# Altium PCB PASTE.PcbDoc (part 2 of 7) (continued)
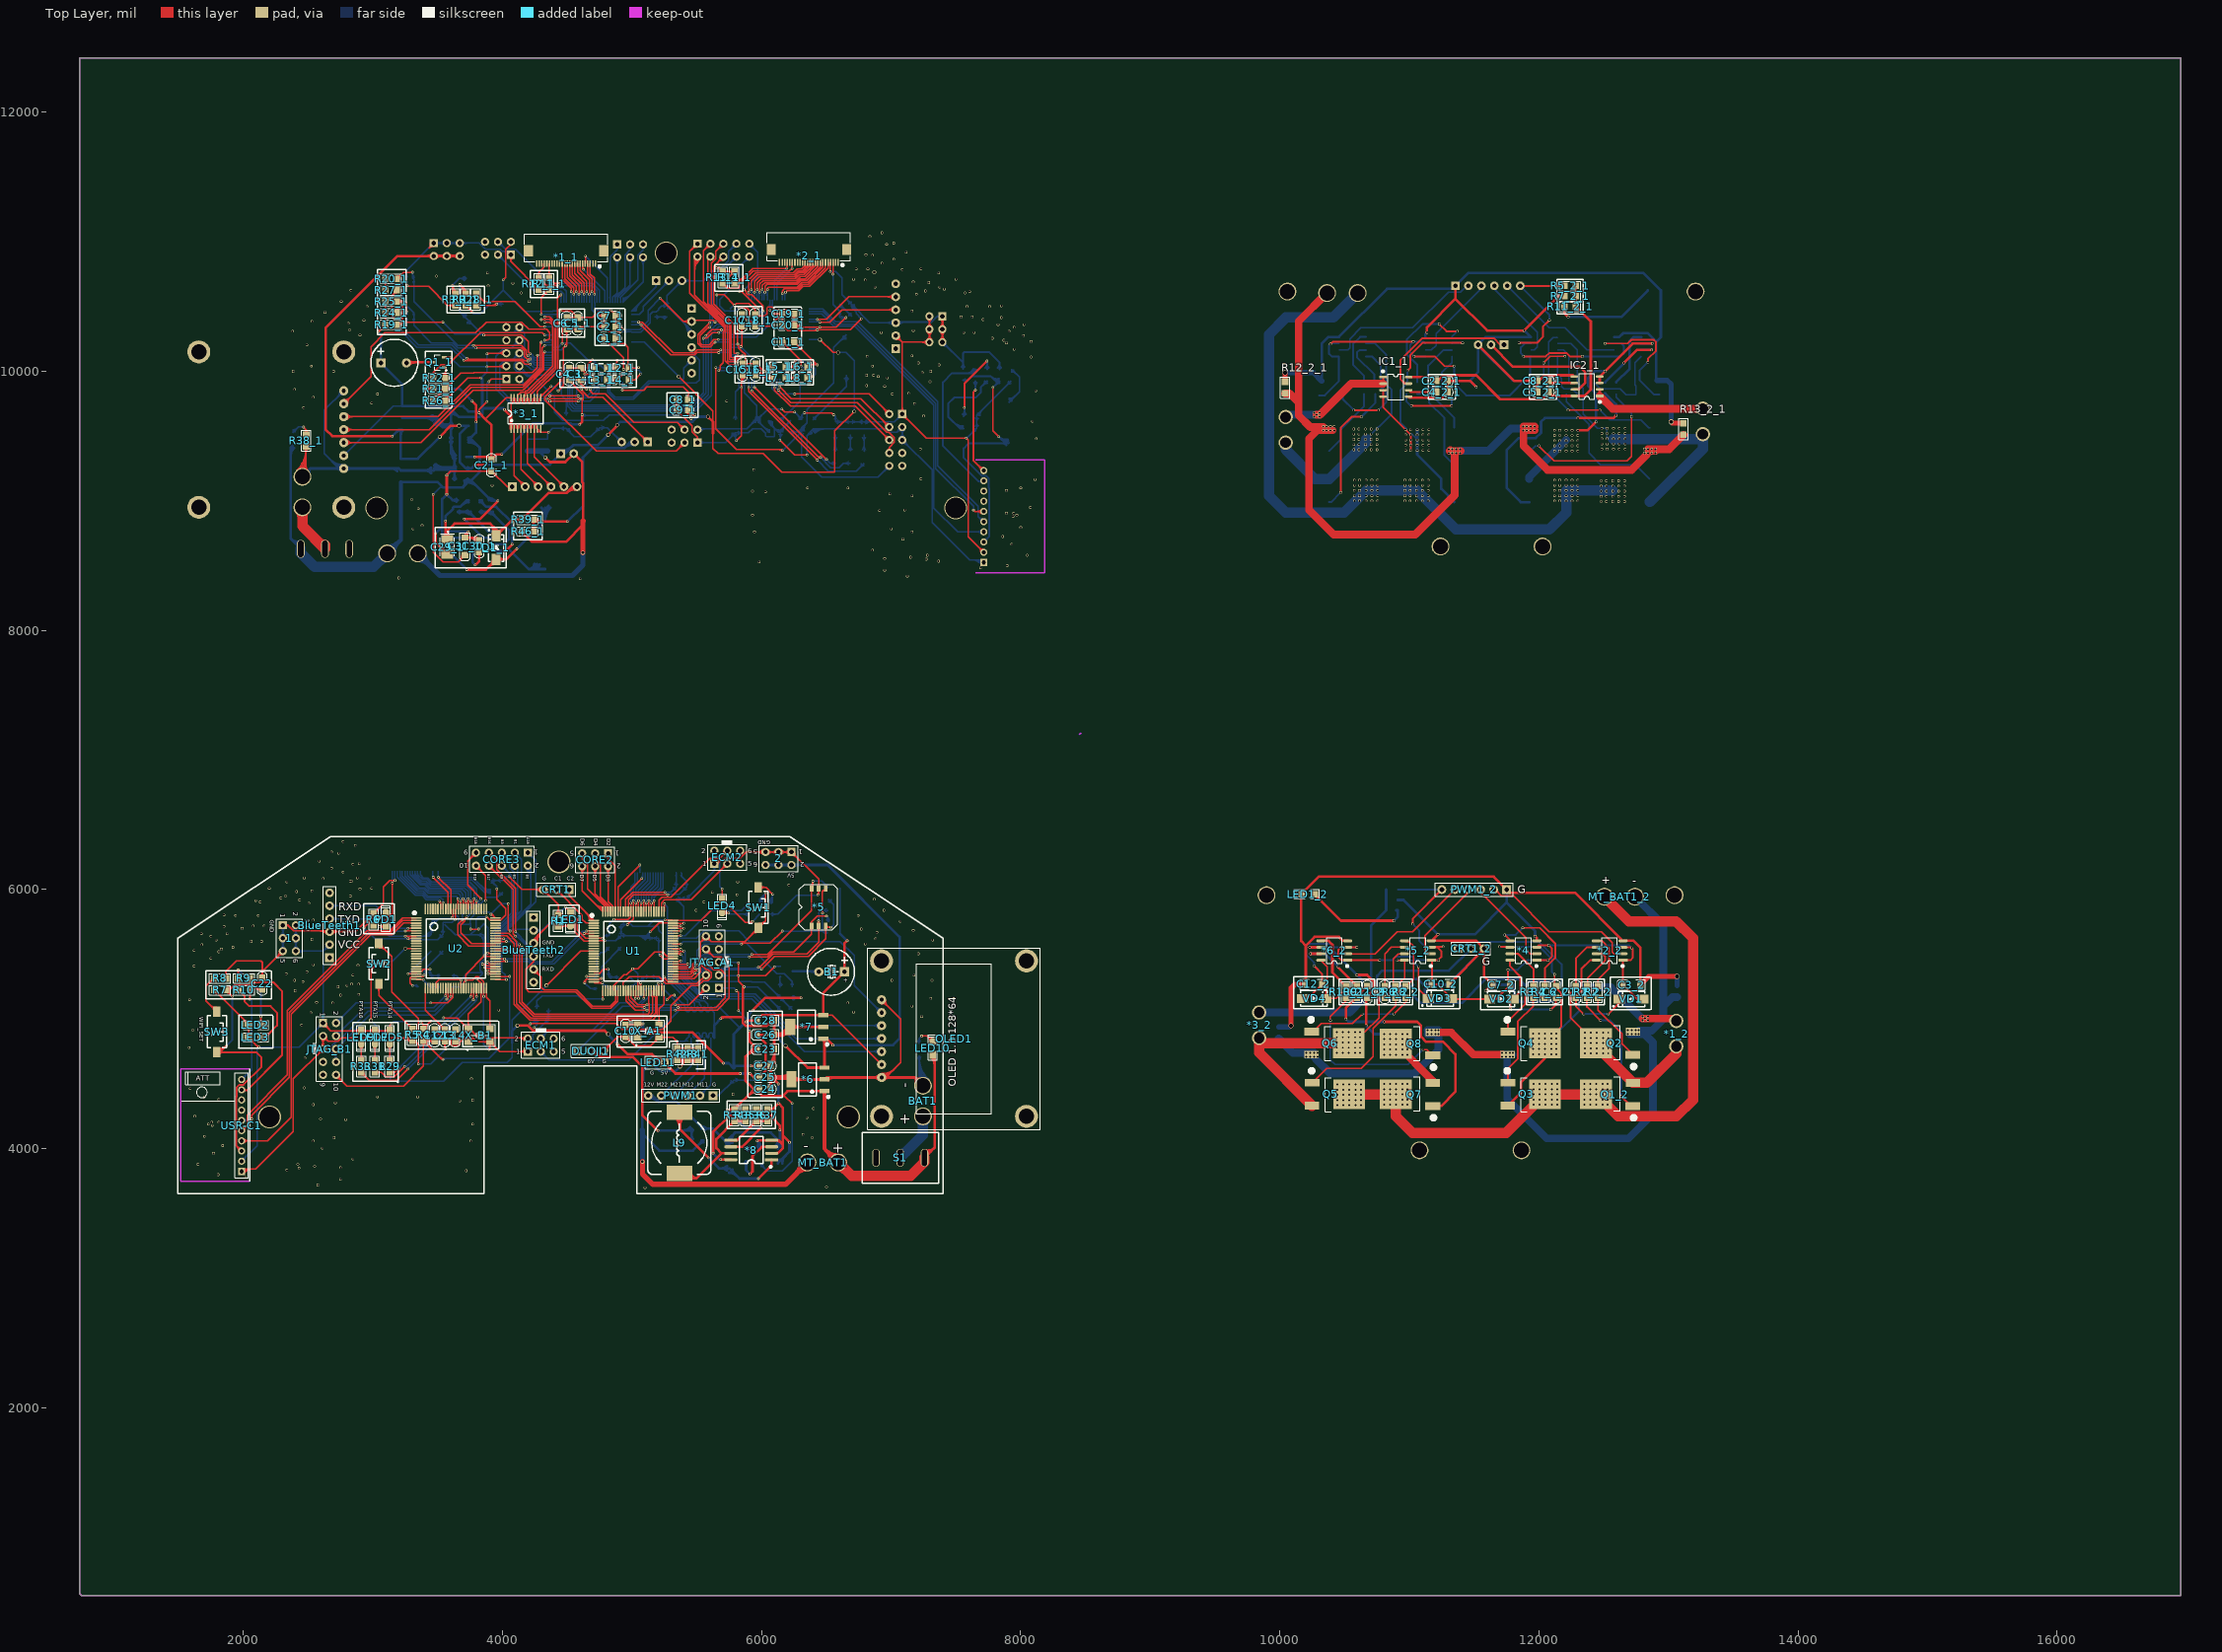
[diagram p0: Top Layer view]
## Nets (pads, with @x,y where several pads share a name; then routed paths per layer and width w, separated by ;. In a path a pad name is that pad's centre, name@x,y a point inside that pad or via, vN(x,y) a via of type N, cw(c..) or ccw(c..) an arc to the next point about the centre after c; other vN are vias at no path point) (continued)
3676.14,10659.6 cw(c3686.53,10665.74) v2@3674.84,10668.75 ; v2@3670,10665 cw(c3670,10652.93) 3678.54,10661.46 cw(c3687.07,10670) v2@3675,10670 ; v2@3671.46,5906.46 cw(c3651.85,5886.85) 3679.59,5886.85 ; 3671.49,8544.01 ccw(c3632.98,8582.52) 3687.44,8582.52 ; v2(3675,5910) 3679.59,5905.41 3679.59,5850.21 ; 3679.59,5239.79 3680,5240.2 v2(3680,5300) ; 3680.99,8553.51 cw(c3706.06,8528.44) 3706.06,8563.9 ; v2@3683.54,5296.46 v2(3680,5300) ; v2@3685,5765 cw(c3672.93,5765) 3681.46,5756.46 cw(c3690,5747.93) v2@3690,5760 ; 3685.26,10654.74 cw(c3636.97,10606.45) 3705.03,10600.82 ; 3688.56,8561.08 ccw(c3667.12,8582.52) 3697.44,8582.52 ; v2(3690,5765) 3655,5730 3655,5650 3740.32,5564.69 3945.43,5564.69 ; v2@3691.46,5926.46 cw(c3680.36,5915.36) 3696.06,5915.36 ; v2(3695,5930) 3696.06,5928.94 3696.06,5853.43 3699.28,5850.21 ; 3695.07,10601.65 ccw(c3608.78,10608.78) v2(3670,10670) 3715,10625 3715,10600 ccw(c3665.16,10604.12) 3700.52,10639.48 ; 3695.13,4883.13 ccw(c3653.26,4925) 3712.47,4925 ccw(c3653.26,4925) 3695.13,4966.87 ; 3696.06,5896.98 ccw(c3711.59,5896.98) 3700.61,5886 ; 3699.28,5239.79 3699.28,5284.28 v2(3715,5300) ; v2(3700,10085) 3704.57,10080.43 4146.75,10080.43 4172.18,10055 v2(4215,10055) ; 3701.17,5274.24 cw(c3729.96,5274.24) v2@3709.6,5294.6 ; v2@3703.54,10088.54 ccw(c3723.1,10108.1) 3723.1,10080.43 ; 3704.87,5286.4 cw(c3721.16,5276.99) v2@3716.29,5295.17 ; 3709.39,4897.39 cw(c3731.09,4875.68) 3731.09,4906.38 ; 3709.39,4952.61 ccw(c3731.09,4974.32) 3731.09,4943.62 ; v2@3710,5300 cw(c3697.93,5300) 3706.46,5291.46 cw(c3715,5282.93) v2@3715,5295 ; v2@3711.46,5303.54 ccw(c3702.93,5312.07) 3715,5312.07 ccw(c3727.07,5312.07) 3718.54,5303.54 ccw(c3727.07,5312.07) 3727.07,5300 ccw(c3727.07,5287.93) v2@3718.54,5296.46 ; v2@3711.46,5906.46 cw(c3693.37,5888.37) 3718.96,5888.37 ; 3712.2,4900.2 ccw(c3687.4,4925) 3722.47,4925 ccw(c3687.4,4925) 3712.2,4949.8 ; v2(3715,5910) 3718.96,5906.04 3718.96,5850.21 ; 3715,10510 v2(3770,10455) ; v2@3720,5790 cw(c3707.93,5790) 3716.46,5781.46 cw(c3725,5772.93) v2@3725,5785 ; 3723.83,4938.17 ccw(c3692.04,4969.96) 3737,4969.96 ccw(c3781.96,4969.96) 3750.17,4938.17 ; v2(3725,5790) 3708.94,5773.94 3708.94,5757.16 3680,5728.22 3680,5665 3760.63,5584.37 3945.43,5584.37 ; v2(3725,10100) 3730.63,10094.37 4152.52,10094.37 4166.89,10080 v2(4195,10080) ; v2@3728.54,10103.54 ccw(c3750.66,10125.66) 3750.66,10094.37 ; v2@3731.46,5926.46 cw(c3720.36,5915.36) 3736.06,5915.36 ; v2(3735,5930) 3730,5930 3736.06,5923.94 3736.06,5852.8 3738.65,5850.21 ; 3736.06,5895.46 ccw(c3749.44,5895.46) 3739.98,5886 ; 3742.91,4906.38 cw(c3742.91,4851.54) 3781.69,4890.32 ; 3742.91,4916.38 cw(c3742.91,4885.68) 3764.61,4907.39 ; v2@3751.46,5178.54 ccw(c3734.89,5195.11) 3758.33,5195.11 ; v2@3751.46,5906.46 cw(c3734.89,5889.89) 3758.33,5889.89 ; v2(3755,5175) 3758.33,5178.33 3758.33,5239.79 ; v2(3755,5695) v2(3815,5695) ; v2(3755,5910) 3758.33,5906.67 3758.33,5850.21 ; 3761.53,4925 ccw(c3796.6,4925) 3771.8,4900.2 ; 3768.5,6285 cw(c3704.54,6285) 3749.77,6239.77 cw(c3795,6194.54) 3795,6258.5 ; v2@3771.46,5153.54 ccw(c3755.65,5169.35) 3778.02,5169.35 ; v2(3775,5150) 3778.02,5153.02 3778.02,5239.79 ; v2(3775,10200) 3775.43,10199.57 4147.32,10199.57 4184.37,10162.52 4184.37,10130.63 v2(4195,10120) ; 3778.02,5850.21 3778.02,5928.02 v2(3780,5930) ; 3778.02,5913.14 cw(c3796.86,5913.14) v2@3783.54,5926.46 ; 3778.5,6285 cw(c3738.68,6285) 3766.84,6256.84 cw(c3795,6228.68) 3795,6268.5 ; v2@3778.54,10196.46 cw(c3786.03,10188.97) 3786.03,10199.57 ; v2@3778.54,10203.54 ccw(c3788.12,10213.12) 3788.12,10199.57 ; 3795,6158.5 cw(c3795,6094.54) 3840.23,6139.77 cw(c3885.46,6185) 3821.5,6185 ; 3795,6168.5 cw(c3795,6128.68) 3823.16,6156.84 cw(c3851.32,6185) 3811.5,6185 ; 3795,6185 3870,6110 v2(3870,5915) ; 3795,6285 3730,6220 3730,6035 v2(3835,5930) ; v2(3795,10180) 3795.43,10180.43 4146.75,10180.43 4170.43,10156.75 4170.43,10114.57 4186.61,10098.39 4187.16,10098.94 4211.06,10098.94 v2(4215,10095) ; 3795,10510 3945,10510 v2(3955,10520) ; 3795,10580 cw(c3795,10531.72) 3829.14,10565.86 cw(c3863.28,10600) 3815,10600 ; 3795,10600 3856.06,10538.94 4096.06,10538.94 4290,10345 v2(4325,10345) ; 3796.36,5204 cw(c3787.59,5195.23) 3800,5195.23 ; v2@3796.46,5178.54 ccw(c3787.93,5187.07) 3800,5187.07 ccw(c3812.07,5187.07) v2@3803.54,5178.54 ; 3797.7,5239.79 3800,5237.49 v2(3800,5175) ; 3797.7,5850.21 3797.7,5907.7 v2(3800,5910) ; 3797.7,5892.38 cw(c3817.62,5892.38) v2@3803.54,5906.46 ; v2@3798.54,10176.46 cw(c3808.12,10166.88) 3808.12,10180.43 ; v2@3798.54,10183.54 ccw(c3806.03,10191.03) 3806.03,10180.43 ; v2(3805,5310) 3835,5280 3835,5135 3737,5037 3737,4935 ; 3809.14,10495.86 cw(c3843.28,10461.72) 3843.28,10510 cw(c3843.28,10558.28) 3809.14,10524.14 ; v2@3816.46,9683.54 ccw(c3807.93,9692.07) 3820,9692.07 ccw(c3832.07,9692.07) v2@3823.54,9683.54 ; v2(3820,9680) 3820,9705 v2(3880,9765) ; v2@3830,5930 ccw(c3817.93,5930) 3826.46,5938.54 ccw(c3835,5947.07) v2@3835,5935 ; 3831.23,5283.77 cw(c3821.7,5274.24) 3835.18,5274.24 ; v2@3831.46,9946.46 ccw(c3822.93,9937.93) 3822.93,9950 ccw(c3822.93,9962.07) v2@3831.46,9953.54 ; 3835,5195.78 cw(c3846.63,5195.78) 3838.41,5204 ; v2(3845,5425) 3865,5425 3878.94,5411.06 3941.57,5411.06 3945.43,5407.2 ; v2@3848.54,5421.46 cw(c3857.07,5412.93) 3857.07,5425 cw(c3857.07,5437.07) v2@3848.54,5428.54 ; v2@3851.46,5178.54 ccw(c3842.93,5187.07) 3855,5187.07 ccw(c3867.07,5187.07) v2@3858.54,5178.54 ; 3852.9,5288.11 ccw(c3870.63,5288.11) 3858.09,5275.57 ; v2(3855,5175) 3855,5238.03 3852.9,5240.13 3852.9,5288.88 3812.84,5328.94 3797.16,5328.94 3768.22,5300 v2(3715,5300) ; 3855,5196.54 cw(c3865.56,5196.54) 3858.09,5204 ; v2@3855,5490 cw(c3842.93,5490) 3851.46,5481.46 cw(c3860,5472.93) v2@3860,5485 ; v2(3855,10280) 3855.43,10280.43 4146.75,10280.43 4198.31,10228.87 4198.31,10151.69 v2(4215,10135) ; v2@3858.54,10276.46 cw(c3868.12,10266.88) 3868.12,10280.43 ; v2@3858.54,10283.54 ccw(c3866.03,10291.03) 3866.03,10280.43 ; v2(3860,5400) 3870,5400 3876.06,5393.94 ; v2@3862.52,5395.68 cw(c3868.16,5386.04) 3876.06,5393.94 ; v2@3863.54,5493.54 ccw(c3881.86,5511.86) 3881.86,5485.94 ; v2@3866.46,5918.54 ccw(c3857.93,5927.07) 3870,5927.07 ccw(c3882.07,5927.07) v2@3873.54,5918.54 ; 3867.5,9632.5 4030.16,9795.16 4065,9795.16 ; v2@3875,5785 cw(c3875,5761.29) 3891.77,5778.05 ; v2(3875,5790) 3879.82,5790 3904.43,5765.39 ; 3876.44,5239.79 3876.44,5168.56 3903,5142 3903,4925 ; v2(3880,10035) 4025,10035 4030,10040 ; v2(3880,10135) 3885,10140 4030,10140 ; v2@3883.54,10031.46 cw(c3892.07,10022.93) 3892.07,10035 cw(c3892.07,10047.07) v2@3883.54,10038.54 ; v2@3883.54,10131.46 cw(c3904.14,10110.86) 3904.14,10140 ; 3883.93,4811.83 ccw(c3852.14,4780.04) 3852.14,4825 ccw(c3852.14,4869.96) 3883.93,4838.17 ; v2(3885,5375) 3890,5375 3896.06,5368.94 ; v2@3885,5435 cw(c3885,5422.93) 3893.54,5431.46 cw(c3902.07,5440) v2@3890,5440 ; v2(3885,5440) 3898.11,5426.89 3945.43,5426.89 ; v2(3885,5510) 3889.37,5505.63 3945.43,5505.63 ; v2@3887.14,5370.48 cw(c3890.51,5363.38) 3896.06,5368.94 ; v2@3888.54,5513.54 ccw(c3907.62,5532.62) 3907.62,5505.63 ; 3889.83,4811.83 cw(c3858.04,4780.04) 3903,4780.04 cw(c3947.96,4780.04) 3916.17,4811.83 ; 3889.83,4938.17 ccw(c3858.04,4969.96) 3903,4969.96 ccw(c3947.96,4969.96) 3916.17,4938.17 ; v2(3890,5350) 3943.58,5350 3945.43,5348.15 ; v2@3891.46,4768.54 ccw(c3863.62,4796.38) 3903,4796.38 ; v2@3893.54,5346.46 cw(c3902.07,5337.93) 3902.07,5350 cw(c3902.07,5362.07) v2@3893.54,5353.54 ; v2(3895,4765) 3903,4773 ; 3895,6158.5 cw(c3895,6094.54) 3940.23,6139.77 cw(c3985.46,6185) 3921.5,6185 ; 3895,6168.5 cw(c3895,6128.68) 3923.16,6156.84 cw(c3951.32,6185) 3911.5,6185 ; 3895,6185 4080,6000 4080,5660 v2(4100,5640) ; 3895,6258.5 cw(c3895,6194.54) 3940.23,6239.77 cw(c3985.46,6285) 3921.5,6285 ; 3895,6268.5 cw(c3895,6228.68) 3923.16,6256.84 cw(c3951.32,6285) 3911.5,6285 ; 3895,6285 3954.57,6225.43 3954.57,6155.43 4100,6010 v2(4100,5675) ; v2(3895,9920) 3915,9940 4030,9940 ; v2@3895.23,4769.99 ccw(c3895.72,4780.28) 3903,4773 ; 3897.11,5411.06 cw(c3897.11,5393.33) 3909.65,5405.87 ; v2@3898.54,4761.46 ccw(c3887.76,4772.24) 3903,4772.24 ; v2@3899.99,4765.23 cw(c3910.28,4765.72) 3903,4773 ; 3900.86,9215.86 ccw(c3866.72,9181.72) 3866.72,9230 ccw(c3866.72,9278.28) 3900.86,9244.14 ; 3901.95,5350 cw(c3901.95,5339.12) 3909.65,5346.81 ; 3903.15,5766.67 ccw(c3910.98,5774.5) 3910.98,5763.43 ; 3903.76,5368.94 cw(c3903.76,5360.61) 3909.65,5366.5 ; 3908.91,4806.38 cw(c3908.91,4775.68) 3930.61,4797.39 ; v2@3910,5805 cw(c3910,5776.87) 3929.89,5796.76 ; v2(3910,5810) 3916.65,5810 3945.43,5781.22 ; 3910.47,5389.34 cw(c3905.58,5406.67) 3892.84,5393.94 ; 3910.67,5763.4 cw(c3909.48,5770.45) 3904.43,5765.39 ; 3915,9210 cw(c3915,9161.72) 3949.14,9195.86 cw(c3983.28,9230) 3935,9230 ; 3917.53,4825 ccw(c3952.6,4825) 3927.8,4800.2 ; 3918.79,10510 ccw(c3918.79,10556.21) v2@3951.46,10523.54 ; 3927.53,4825 ccw(c3986.74,4825) 3944.87,4783.13 ; 3942.93,10510 ccw(c3942.93,10532.07) v2@3958.54,10516.46 ; 3945.43,5308.78 3948.15,5306.06 4028.94,5306.06 v2(4030,5305) ; 3945.43,5328.46 4053.46,5328.46 v2(4055,5330) ; 3945.43,5367.83 3944.33,5368.94 3896.06,5368.94 ; 3945.43,5387.52 3899.26,5387.52 3892.84,5393.94 ; 3945.43,5446.57 3945.94,5446.06 4028.94,5446.06 v2(4030,5445) ; 3945.43,5466.26 4013.74,5466.26 v2(4015,5465) ; 3945.43,5485.94 3864.06,5485.94 v2(3860,5490) 3715,5345 v2(3715,5300) ; 3945.43,5525.31 4059.68,5525.31 v2(4060,5525) ; 3945.43,5545 v2(4035,5545) ; 3945.43,5604.06 3949.29,5600.2 4029.8,5600.2 v2(4030,5600) ; 3945.43,5623.74 3949.17,5620 v2(4010,5620) ; 3945.43,5643.43 4031.57,5643.43 4090,5585 4090,5115 4210,4995 5160,4995 5195,5030 5195,5175.03 5191.06,5178.96 ; 3945.43,5663.11 4046.89,5663.11 4110,5600 4110,5120 4220,5010 5145,5010 5180,5045 5180,5170.32 5171.56,5178.76 ; v2@3951.46,6001.46 cw(c3942.93,5992.93) 3955,5992.93 cw(c3967.07,5992.93) v2@3958.54,6001.46 ; 3953.96,10035 ccw(c3953.96,10116.04) 4011.26,10058.74 ; v2(3955,6005) 3955,5925 4025,5855 4025,5803.96 3986.44,5765.39 ; 3979.88,5763.43 ccw(c3979.88,5774.5) 3987.71,5766.67 ; 3980.2,5763.4 ccw(c3981.38,5770.45) 3986.44,5765.39 ; 3981.22,5310.12 ccw(c3991,5319.9) 3991,5306.06 ; 3981.22,5605.39 ccw(c3993.76,5617.93) 3993.76,5600.2 ; 3981.22,5625.08 ccw(c3993.47,5637.33) 3993.47,5620 ; 3999.89,5466.26 cw(c3999.89,5449.89) v2@4011.46,5461.46 ; v2(4005,10705) 4024.57,10724.57 4024.57,10940.43 4065,10980.87 4065,11000 ; v2@4006.46,5616.46 ccw(c3997.93,5607.93) 3997.93,5620 ccw(c3997.93,5632.07) v2@4006.46,5623.54 ; 4011.26,10021.26 ccw(c3978.1,9988.1) 3978.1,10035 ccw(c3978.1,10091.9) 4018.34,10051.66 ; 4011.26,10121.26 ccw(c3966.03,10076.03) 3966.03,10140 ccw(c3966.03,10203.97) 4011.26,10158.74 ; 4015.36,5306.06 cw(c4015.36,5290.36) v2@4026.46,5301.46 ; 4015.36,5446.06 cw(c4015.36,5430.36) v2@4026.46,5441.46 ; 4017.45,5600.2 cw(c4017.45,5587.45) v2@4026.46,5596.46 ; 4018.34,10128.34 ccw(c3990.18,10100.18) 3990.18,10140 ccw(c3990.18,10179.82) 4018.34,10151.66 ; 4018.4,5600.2 ccw(c4018.4,5611.6) v2@4026.46,5603.54 ; v2@4031.46,5541.46 ccw(c4022.93,5532.93) 4022.93,5545 ccw(c4022.93,5557.07) v2@4031.46,5548.54 ; 4039.22,5328.46 ccw(c4039.22,5345.78) v2@4051.46,5333.54 ; v2(4045,5890) 4045,5695 v2(4060,5680) ; 4047.17,5525.31 cw(c4047.17,5512.17) v2@4056.46,5521.46 ; 4048.11,9100.67 ccw(c4035,9096.13) 4035,9110 ; 4048.11,9119.33 cw(c4035,9123.87) 4035,9110 ; 4048.49,10879.28 cw(c4021.17,10845) 4065,10845 ; 4048.69,5525.31 ccw(c4048.69,5536.31) v2@4056.46,5528.54 ; v2@4050,6095 cw(c4050,6082.93) 4058.54,6091.46 cw(c4067.07,6100) v2@4055,6100 ; v2(4050,6100) 4150,6000 4315,6000 4430,5885 4430,5805 ; 4054.72,10887.1 cw(c4037.71,10865.76) 4065,10865.76 cw(c4092.29,10865.76) 4075.28,10887.1 ; 4065,9555 4075.65,9565.65 4075.65,9585.19 4084.4,9593.94 4096.78,9593.94 4105.53,9585.19 4105.53,9565.65 4116.18,9555 4126.84,9565.65 4126.84,9585.19 4135.58,9593.94 4147.96,9593.94 4156.71,9585.19 4156.71,9565.65 4167.36,9555 4178.02,9565.65 4178.02,9585.19 4186.77,9593.94 4199.14,9593.94 4207.89,9585.19 4207.89,9565.65 4218.54,9555 4229.2,9565.65 4229.2,9585.19 4237.95,9593.94 4250.32,9593.94 4259.07,9585.19 4259.07,9565.65 4269.72,9555 4294.72,9530 ; 4065,9655 4065,9750.03 4079.94,9764.97 4079.94,9784.5 4090.59,9795.16 4101.24,9784.5 4101.24,9764.97 4109.99,9756.22 4122.37,9756.22 4131.12,9764.97 4131.12,9784.5 4141.77,9795.16 4152.43,9784.5 4152.43,9764.97 4161.17,9756.22 4173.55,9756.22 4182.3,9764.97 4182.3,9784.5 4192.95,9795.16 4203.61,9784.5 4203.61,9764.97 4212.36,9756.22 4224.73,9756.22 4233.48,9764.97 4233.48,9784.5 4244.13,9795.16 4254.79,9784.5 4254.79,9764.97 4263.54,9756.22 4275.91,9756.22 4284.66,9764.97 4284.66,9784.5 4295.31,9795.16 4295.31,9805.32 v2(4375,9885) ; 4065,10900 4065,10845 ; 4066.21,9570.08 ccw(c4064.74,9580.89) 4075.65,9580.89 ; 4067.56,9560.17 ccw(c4066.3,9569.44) 4075.65,9569.44 ; 4075,9110 4035,9110 ; 4079.94,9769.41 cw(c4090.69,9769.41) 4090.09,9780.14 ; 4079.94,9779.98 cw(c4090.1,9779.98) 4089.54,9790.13 ; 4079.94,9780.09 cw(c4094.5,9780.09) 4090.84,9794.19 ; 4081.51,10879.28 ccw(c4108.83,10845) 4065,10845 ; 4090.34,9794.19 cw(c4086.68,9780.09) 4101.24,9780.09 ; 4090.59,9555 4090.59,9194.41 4175,9110 ; 4091.09,9780.14 cw(c4090.49,9769.41) 4101.24,9769.41 ; 4091.65,9790.13 cw(c4091.08,9779.98) 4101.24,9779.98 ; v2@4095,5640 ccw(c4082.93,5640) 4091.46,5648.54 ccw(c4100,5657.07) v2@4100,5645 ; v2@4096.46,5678.54 ccw(c4087.93,5687.07) 4100,5687.07 ccw(c4112.07,5687.07) v2@4103.54,5678.54 ; 4105.53,9569.44 ccw(c4114.88,9569.44) 4113.62,9560.17 ; 4105.53,9580.89 ccw(c4116.44,9580.89) 4114.97,9570.08 ; 4112.78,4857.56 cw(c4112.78,4767.78) 4176.26,4831.26 ; 4116.18,9795.16 4116.18,9814.69 4141.49,9840 4172.96,9840 4180.99,9848.03 4193.03,9848.03 4385,10040 4385,10360 4365,10380 v2(4325,10380) ; 4116.18,9820.16 ccw(c4116.18,9833.36) 4125.51,9824.02 ; 4117.39,9570.08 ccw(c4115.92,9580.89) 4126.84,9580.89 ; 4118.74,9560.17 ccw(c4117.48,9569.44) 4126.84,9569.44 ; v2@4126.46,5571.46 cw(c4117.93,5562.93) 4130,5562.93 cw(c4142.07,5562.93) v2@4133.54,5571.46 ; v2(4130,5575) 4130,5130 4236.06,5023.94 5135,5023.94 5160,5048.94 5160,5170.61 5151.87,5178.73 ; 4131.12,9769.41 cw(c4141.87,9769.41) 4141.27,9780.14 ; 4131.12,9779.98 cw(c4141.28,9779.98) 4140.72,9790.13 ; 4131.12,9780.09 cw(c4145.68,9780.09) 4142.02,9794.19 ; 4136.93,4857.56 cw(c4136.93,4791.93) 4183.34,4838.34 ; 4141.52,9794.19 cw(c4137.86,9780.09) 4152.43,9780.09 ; 4141.77,9555 4141.77,9243.23 4275,9110 ; 4142.27,9780.14 cw(c4141.67,9769.41) 4152.43,9769.41 ; 4142.83,9790.13 cw(c4142.26,9779.98) 4152.43,9779.98 ; v2@4146.46,5551.46 cw(c4137.93,5542.93) 4150,5542.93 cw(c4162.07,5542.93) v2@4153.54,5551.46 ; 4146.54,9110 ccw(c4077.82,9110) 4126.41,9158.59 ccw(c4175,9207.18) 4175,9138.46 ; 4149.28,4857.56 ccw(c4149.28,4895.72) 4176.26,4868.74 ; v2(4150,5555) 4150,5135 4245,5040 5125,5040 5133.94,5048.94 5133.94,5117.84 5128.33,5123.45 5128.33,5219.79 ; 4156.54,9110 ccw(c4111.96,9110) 4143.48,9141.52 ccw(c4175,9173.04) 4175,9128.46 ; 4156.71,9569.44 ccw(c4166.06,9569.44) 4164.8,9560.17 ; 4156.71,9580.89 ccw(c4167.62,9580.89) 4166.15,9570.08 ; 4161.07,4857.56 cw(c4161.07,4816.07) 4190.41,4845.41 ; 4167.36,9795.16 4167.36,9802.65 4178.02,9813.31 4178.02,9825.34 4186.77,9834.09 4204.09,9834.09 4400,10030 4400,10365 4363.94,10401.06 4301.06,10401.06 v2(4300,10400) v2@4305,10400 ; 4168.57,9570.08 ccw(c4167.1,9580.89) 4178.02,9580.89 ; 4169.92,9560.17 ccw(c4168.66,9569.44) 4178.02,9569.44 ; 4176.26,4731.26 ccw(c4131.03,4686.03) 4131.03,4750 ccw(c4131.03,4813.97) 4176.26,4768.74 ; 4182.3,9769.41 cw(c4193.05,9769.41) 4192.45,9780.14 ; 4182.3,9779.98 cw(c4192.46,9779.98) 4191.9,9790.13 ; 4182.3,9780.09 cw(c4196.87,9780.09) 4193.2,9794.19 ; 4183.34,4738.34 ccw(c4155.18,4710.18) 4155.18,4750 ccw(c4155.18,4789.82) 4183.34,4761.66 ; v2@4190,10120 ccw(c4177.93,10120) 4186.46,10128.54 ccw(c4195,10137.07) v2@4195,10125 ; v2@4191.46,10076.46 ccw(c4182.93,10067.93) 4182.93,10080 ccw(c4182.93,10092.07) v2@4191.46,10083.54 ; 4192.7,9794.19 cw(c4189.04,9780.09) 4203.61,9780.09 ; 4192.95,9555 4192.95,9292.05 4375,9110 ; 4193.45,9780.14 cw(c4192.86,9769.41) 4203.61,9769.41 ; 4194.01,9790.13 cw(c4193.44,9779.98) 4203.61,9779.98 ; 4195,4750 3978,4750 3903,4825 ; 4195,4850 4187.44,4857.56 3814.44,4857.56 3737,4935 ; 4207.89,9569.44 ccw(c4217.24,9569.44) 4215.98,9560.17 ; 4207.89,9580.89 ccw(c4218.8,9580.89) 4217.33,9570.08 ; v2@4210,10135 ccw(c4197.93,10135) 4206.46,10143.54 ccw(c4215,10152.07) v2@4215,10140 ; v2@4211.46,10051.46 ccw(c4202.93,10042.93) 4202.93,10055 ccw(c4202.93,10067.07) v2@4211.46,10058.54 ; v2(4215,4965) 4877.36,4965 4921.3,4921.06 5234.85,4921.06 5300,4986.21 5300,5101.78 5457.23,5259.02 5508.73,5259.02 5549.28,5299.57 5586.75,5299.57 5610.43,5323.25 5610.43,5356.75 5586.75,5380.43 5572.39,5380.43 5529.57,5423.25 ; v2@4218.54,4961.46 cw(c4227.07,4952.93) 4227.07,4965 cw(c4227.07,4977.07) v2@4218.54,4968.54 ; 4218.54,9795.16 4218.54,9823.54 4413.94,10018.94 4413.94,10370.77 4364.71,10420 v2(4325,10420) ; 4219.54,9819.16 cw(c4232.55,9819.16) 4223.35,9828.35 ; 4219.76,9570.08 ccw(c4218.29,9580.89) 4229.2,9580.89 ; 4221.1,9560.17 ccw(c4219.84,9569.44) 4229.2,9569.44 ; 4230.67,5458.11 cw(c4226.13,5445) 4240,5445 ; 4233.48,9769.41 cw(c4244.23,9769.41) 4243.63,9780.14 ; 4233.48,9779.98 cw(c4243.64,9779.98) 4243.08,9790.13 ; 4233.48,9780.09 cw(c4248.05,9780.09) 4244.39,9794.19 ; 4238.46,5585 cw(c4307.18,5585) 4258.59,5633.59 ; 4240,5356.54 cw(c4240,5287.82) 4288.59,5336.41 cw(c4337.18,5385) 4268.46,5385 ; 4240,5366.54 cw(c4240,5321.96) 4271.52,5353.48 cw(c4303.04,5385) 4258.46,5385 ; 4240,5385 4300,5325 4300,5245 4321.06,5223.94 4571.06,5223.94 4695,5100 4830,5100 4872.43,5142.43 4872.43,5219.79 ; 4240,5485 4240,5445 ; 4240,5585 4240,5615 4430,5805 ; 4243.88,9794.19 cw(c4240.22,9780.09) 4254.79,9780.09 ; 4244.13,9555 4244.13,9340.87 4475,9110 ; 4244.63,9780.14 cw(c4244.04,9769.41) 4254.79,9769.41 ; 4245.19,9790.13 cw(c4244.62,9779.98) 4254.79,9779.98 ; 4246.54,9110 ccw(c4177.82,9110) 4226.41,9158.59 ccw(c4275,9207.18) 4275,9138.46 ; 4248.46,5585 cw(c4341.33,5585) 4275.66,5650.66 ; 4249.33,5458.11 ccw(c4253.87,5445) 4240,5445 ; 4256.54,9110 ccw(c4211.96,9110) 4243.48,9141.52 ccw(c4275,9173.04) 4275,9128.46 ; 4258.46,5585 cw(c4375.47,5585) 4292.73,5667.73 ; 4259.07,9569.44 ccw(c4268.42,9569.44) 4267.16,9560.17 ; 4259.07,9580.89 ccw(c4269.98,9580.89) 4268.51,9570.08 ; 4260,10630 ccw(c4211.72,10630) 4245.86,10664.14 ccw(c4280,10698.28) 4280,10650 ; v2@4266.46,10121.46 cw(c4257.93,10112.93) 4270,10112.93 cw(c4282.07,10112.93) v2@4273.54,10121.46 ; 4266.71,10734.94 ccw(c4240.35,10764.56) 4280,10764.56 ; 4268.46,5585 cw(c4409.61,5585) 4309.81,5684.81 ; 4269.72,9795.16 4269.72,9844.72 4427.87,10002.87 4427.87,10376.55 4426.06,10378.36 4426.06,10566.06 v2(4450,10590) ; 4270.41,9530.28 cw(c4282.43,9517.7) 4294.72,9530 ; 4280,10700 cw(c4280,10651.72) 4314.14,10685.86 cw(c4348.28,10720) 4300,10720 ; 4284.66,9769.41 cw(c4295.41,9769.41) 4294.82,9780.14 ; 4284.66,9779.98 cw(c4294.82,9779.98) 4294.26,9790.13 ; 4284.66,9780.09 cw(c4299.23,9780.09) 4295.57,9794.19 ; 4290,10188.79 cw(c4336.21,10188.79) v2@4303.54,10221.46 ; 4290,10212.93 cw(c4312.07,10212.93) v2@4296.46,10228.54 ; 4293.29,10734.94 cw(c4319.65,10764.56) 4280,10764.56 ; 4294.14,10615.86 cw(c4328.28,10581.72) 4328.28,10630 cw(c4328.28,10678.28) 4294.14,10644.14 ; 4294.87,5979.87 ccw(c4246.28,5931.28) 4246.28,6000 ccw(c4246.28,6068.72) 4294.87,6020.13 ; 4295.31,9810.16 ccw(c4295.31,9821.85) 4303.58,9813.58 ; 4295.31,9820.16 ccw(c4295.31,9855.99) 4320.65,9830.65 ; v2@4296.46,10443.54 ccw(c4287.93,10452.07) 4300,10452.07 ccw(c4312.07,10452.07) v2@4303.54,10443.54 ; v2(4300,10440) 4300,10570 4360,10630 4280,10630 4065,10845 ; 4301.94,5986.94 ccw(c4270.42,5955.42) 4270.42,6000 ccw(c4270.42,6044.58) 4301.94,6013.06 ; v2@4303.54,10396.46 cw(c4314.64,10385.36) 4314.64,10401.06 ; 4315,5971.54 cw(c4315,5902.82) 4363.59,5951.41 cw(c4412.18,6000) 4343.46,6000 ; 4315,5981.54 cw(c4315,5936.96) 4346.52,5968.48 cw(c4378.04,6000) 4333.46,6000 ; 4317.76,10802.33 ccw(c4308.08,10812.01) 4321.77,10812.01 cw(c4308.33,10811.91) 4317.84,10802.4 ; 4317.83,10801.25 cw(c4329.87,10801.25) 4323.18,10811.26 ; 4318.94,10123.29 cw(c4351.71,10123.29) v2@4328.54,10146.46 ; v2@4320,10200 cw(c4307.93,10200) 4316.46,10191.46 cw(c4325,10182.93) v2@4325,10195 ; v2@4320,10280 ccw(c4307.93,10280) 4316.46,10288.54 ccw(c4325,10297.07) v2@4325,10285 ; v2@4321.46,10341.46 ccw(c4312.93,10332.93) 4312.93,10345 ccw(c4312.93,10357.07) v2@4321.46,10348.54 ; 4322.68,10831.69 4317.83,10826.85 4317.83,10802.4 ; v2(4325,10280) 4305.43,10299.57 3829.57,10299.57 3580.39,10050.39 3526.61,10050.39 3465,9988.78 ; v2@4328.54,10236.46 cw(c4337.07,10227.93) 4337.07,10240 cw(c4337.07,10252.07) v2@4328.54,10243.54 ; v2@4328.54,10376.46 cw(c4337.07,10367.93) 4337.07,10380 cw(c4337.07,10392.07) v2@4328.54,10383.54 ; v2@4328.54,10416.46 cw(c4337.07,10407.93) 4337.07,10420 cw(c4337.07,10432.07) v2@4328.54,10423.54 ; v3(4340,5260) 4605,5525 4705.01,5525 ; 4340,10630 cw(c4291.72,10630) 4325.86,10595.86 cw(c4360,10561.72) 4360,10610 ; v2(4345,9790) v2(4605,9790) ; 4345.86,10615.86 ccw(c4311.72,10581.72) 4311.72,10630 ccw(c4311.72,10678.28) 4345.86,10644.14 ; 4345.86,10734.14 ccw(c4311.72,10768.28) 4360,10768.28 ccw(c4408.28,10768.28) 4374.14,10734.14 ; 4346.54,9110 ccw(c4277.82,9110) 4326.41,9158.59 ccw(c4375,9207.18) 4375,9138.46 ; v2@4348.54,9786.46 cw(c4357.07,9777.93) 4357.07,9790 cw(c4357.07,9802.07) v2@4348.54,9793.54 ; v2@4351.46,9526.46 ccw(c4342.93,9517.93) 4342.93,9530 ccw(c4342.93,9542.07) v2@4351.46,9533.54 ; v2(4355,9530) 4294.72,9530 ; 4356.54,9110 ccw(c4311.96,9110) 4343.48,9141.52 ccw(c4375,9173.04) 4375,9128.46 ; 4360,10700 cw(c4360,10651.72) 4394.14,10685.86 cw(c4428.28,10720) 4380,10720 ; 4360,10804.88 cw(c4369.18,10804.88) 4362.69,10811.37 ; 4362.05,10831.69 4360,10829.65 4360,10720 4400,10680 v2(4445,10680) ; v2(4365,9770) v2(4585,9770) ; v2(4365,9810) 4580,9810 4585,9805 v2(4585,9810) ; v2@4368.54,9766.46 cw(c4377.07,9757.93) 4377.07,9770 cw(c4377.07,9782.07) v2@4368.54,9773.54 ; v2@4368.54,9806.46 cw(c4377.07,9797.93) 4377.07,9810 cw(c4377.07,9822.07) v2@4368.54,9813.54 ; v2@4370,9885 cw(c4357.93,9885) 4366.46,9876.46 cw(c4375,9867.93) v2@4375,9880 ; 4400.86,10665 cw(c4400.86,10635.86) v2@4421.46,10656.46 ; 4410,5805 cw(c4361.72,5805) 4395.86,5770.86 cw(c4430,5736.72) 4430,5785 ; 4415,5971.54 cw(c4415,5902.82) 4463.59,5951.41 cw(c4512.18,6000) 4443.46,6000 ; 4415,5981.54 cw(c4415,5936.96) 4446.52,5968.48 cw(c4478.04,6000) 4433.46,6000 ; 4415,6000 4615,5800 4615,5770 4643.46,5741.54 4705.01,5741.54 ; 4415.86,5819.14 ccw(c4381.72,5853.28) 4430,5853.28 ccw(c4478.28,5853.28) 4444.14,5819.14 ; v2(4425,10660) 4420,10665 4335,10665 4280,10720 4280,10764.57 ; 4430,5715 4435,5720 4525,5720 ; v2(4430,9850) 4470,9890 v2(4470,9980) ; v2@4430,9855 ccw(c4430,9867.07) 4438.54,9858.54 ccw(c4447.07,9850) v2@4435,9850 ; 4437.07,5707.93 cw(c4466.21,5678.79) 4466.21,5720 cw(c4466.21,5751.21) 4444.14,5729.14 ; v2@4441.46,10676.46 ccw(c4432.93,10667.93) 4432.93,10680 ccw(c4432.93,10692.07) v2@4441.46,10683.54 ; 4444.14,5700.86 cw(c4490.36,5654.64) 4490.36,5720 ; v2(4445,10465) 4530,10465 4580,10415 ; v2@4445,10590 cw(c4432.93,10590) 4441.46,10581.46 cw(c4450,10572.93) v2@4450,10585 ; 4445.44,5792.29 cw(c4472.36,5770.14) 4472.36,5805 ; 4445.44,5817.71 ccw(c4472.36,5839.86) 4472.36,5805 ; v2@4446.46,10021.46 cw(c4435.36,10010.36) 4451.06,10010.36 ; 4446.54,9110 ccw(c4377.82,9110) 4426.41,9158.59 ccw(c4475,9207.18) 4475,9138.46 ; v2(4450,10025) 4451.06,10023.94 4451.06,9926.06 4326.06,9801.06 4326.06,9782.16 4723.22,9385 5340,9385 5405,9450 ; v2@4456.46,10218.54 ccw(c4445.36,10229.64) 4461.06,10229.64 ; 4456.54,9110 ccw(c4411.96,9110) 4443.48,9141.52 ccw(c4475,9173.04) 4475,9128.46 ; v2(4460,10215) 4461.06,10216.06 4461.06,10353.7 4495,10387.64 ; 4460.47,10831.69 4460.47,10709.53 4530,10640 v2(4530,10615) ; v2@4466.46,9976.46 cw(c4457.93,9967.93) 4470,9967.93 cw(c4482.07,9967.93) v2@4473.54,9976.46 ; v2@4466.46,9983.54 ccw(c4457.93,9992.07) 4470,9992.07 ccw(c4482.07,9992.07) v2@4473.54,9983.54 ; v2@4470,9985 ccw(c4470,9997.07) 4478.54,9988.54 ccw(c4487.07,9980) v2@4475,9980 ; v2@4480,10195 cw(c4467.93,10195) 4476.46,10186.46 cw(c4485,10177.93) v2@4485,10190 ; 4480.16,10831.69 4480.16,10714.84 4550,10645 v2(4550,10595) ; 4480.86,10310.86 cw(c4446.72,10276.72) 4495,10276.72 cw(c4543.28,10276.72) 4509.14,10310.86 cw(c4543.28,10276.72) 4543.28,10325 cw(c4543.28,10373.28) 4509.14,10339.14 ; v2@4481.46,10198.54 ccw(c4448.79,10231.21) 4495,10231.21 ; v2(4485,5865) 4525,5825 4525,5820 4575,5770 4575,5690 4641.57,5623.43 4705.01,5623.43 4768.43,5623.43 v2(4770,5625) ; 4485.27,10377.91 ccw(c4458.39,10404.78) 4495,10415 4580,10415 ; v2@4488.54,10191.46 ccw(c4472.93,10207.07) 4495,10207.07 ; 4495,10025 cw(c4446.72,10025) 4480.86,9990.86 cw(c4515,9956.72) 4515,10005 ; 4499.84,10831.69 4499.84,10725.16 4570,10655 v2(4570,10615) ; v2(4500,9975) 4515,9960 4515,9935 4605,9935 4605,9905 v2(4650,9860) ; 4501,5975.22 cw(c4487.45,5951.23) 4515,5951.23 ; 4510.86,5705.86 ccw(c4476.72,5671.72) 4476.72,5720 ccw(c4476.72,5768.28) 4510.86,5734.14 ; 4515,6000 4515,5951.23 ; 4515,9928.22 4623.94,9819.28 4623.94,9782.16 4615,9773.22 v2(4615,9665) ; 4519.53,10831.69 4519.53,10735.47 4590,10665 v2(4590,10595) ; 4525,9935 ccw(c4565.51,9935) 4536.87,9906.35 ; v2@4526.46,10618.54 ccw(c4517.93,10627.07) 4530,10627.07 ccw(c4542.07,10627.07) v2@4533.54,10618.54 ; 4529,5975.22 ccw(c4542.55,5951.23) 4515,5951.23 ; 4529.14,10010.86 cw(c4563.28,9976.72) 4563.28,10025 cw(c4563.28,10073.28) 4529.14,10039.14 ; 4539.21,10831.69 4539.21,10745.79 4610,10675 v2(4610,10615) ; v2@4546.46,10598.54 ccw(c4537.93,10607.07) 4550,10607.07 ccw(c4562.07,10607.07) v2@4553.54,10598.54 ; 4558.9,10831.69 4558.9,10756.1 4630,10685 v2(4630,10595) ; v2@4560,10370 cw(c4560,10357.93) 4568.54,10366.46 cw(c4577.07,10375) v2@4565,10375 ; 4563.53,10336.35 ccw(c4538.56,10353.55) v2(4560,10375) 4580,10355 ; v2@4564.83,10373.71 ccw(c4576.49,10370.58) 4566.04,10364.55 ccw(c4555.58,10358.51) 4558.71,10370.17 cw(c4552.83,10348.26) 4572.48,10359.6 ; 4565.86,10310.86 ccw(c4531.72,10276.72) 4531.72,10325 ccw(c4531.72,10373.28) 4565.86,10339.14 ; v2@4566.46,10618.54 ccw(c4557.93,10627.07) 4570,10627.07 ccw(c4582.07,10627.07) v2@4573.54,10618.54 ; 4568.49,10366.51 cw(c4548.61,10346.63) 4571.77,10330.67 ; 4572.31,10343.46 ccw(c4567.5,10355) 4580,10355 ; 4572.93,10332.07 cw(c4604.14,10300.86) 4604.14,10345 ; 4576.99,10358.01 cw(c4558.67,10339.7) 4580,10325 ; 4578.58,10831.69 4578.58,10766.42 4650,10695 v2(4650,10615) ; v2@4581.46,9766.46 ccw(c4572.93,9757.93) 4572.93,9770 ccw(c4572.93,9782.07) v2@4581.46,9773.54 ; v2@4581.46,9806.46 ccw(c4572.93,9797.93) 4572.93,9810 ccw(c4572.93,9822.07) v2@4581.46,9813.54 ; v2@4586.46,10598.54 ccw(c4577.93,10607.07) 4590,10607.07 ccw(c4602.07,10607.07) v2@4593.54,10598.54 ; 4587.07,10317.93 cw(c4652.43,10252.57) 4652.43,10345 ; 4587.69,10343.46 cw(c4592.5,10355) 4580,10355 ; 4590.86,10010.86 ccw(c4556.72,9976.72) 4556.72,10025 ccw(c4556.72,10073.28) 4590.86,10039.14 ; 4594.14,10310.86 cw(c4676.57,10228.43) 4676.57,10345 ; 4595.07,9936.19 ccw(c4634.16,9931.52) 4606.32,9903.68 ; 4596.26,6161.26 cw(c4551.03,6116.03) 4615,6116.03 cw(c4678.97,6116.03) 4633.74,6161.26 ; 4598.27,10831.69 4598.27,10776.73 4670,10705 v2(4670,10595) ; v2@4601.46,9786.46 ccw(c4592.93,9777.93) 4592.93,9790 ccw(c4592.93,9802.07) v2@4601.46,9793.54 ; 4603.18,6256.29 cw(c4593.65,6237.18) 4615,6237.18 ; 4603.34,6168.34 cw(c4575.18,6140.18) 4615,6140.18 cw(c4654.82,6140.18) 4626.66,6168.34 ; v2@4606.46,10618.54 ccw(c4597.93,10627.07) 4610,10627.07 ccw(c4622.07,10627.07) v2@4613.54,10618.54 ; 4606.91,10005.09 cw(c4610.25,9970.26) 4635,9995 ; v2(4610,9860) 4610,9855 4665,9800 4775,9800 5120,9455 ; v2@4611.46,9668.54 ccw(c4602.93,9677.07) 4615,9677.07 ccw(c4627.07,9677.07) v2@4618.54,9668.54 ; 4615,6180 4615,5989.21 4774,5830.21 ; 4615,6280 4615,6237.18 ; v2@4615,9860 ccw(c4639.14,9860) 4622.07,9842.93 ; 4617.95,10814.08 ccw(c4654.08,10814.08) v2@4628.54,10788.54 ; 4617.95,10831.69 4617.95,10792.05 v2(4625,10785)